# KiCad board sun3_60.kicad_pcb (continued)
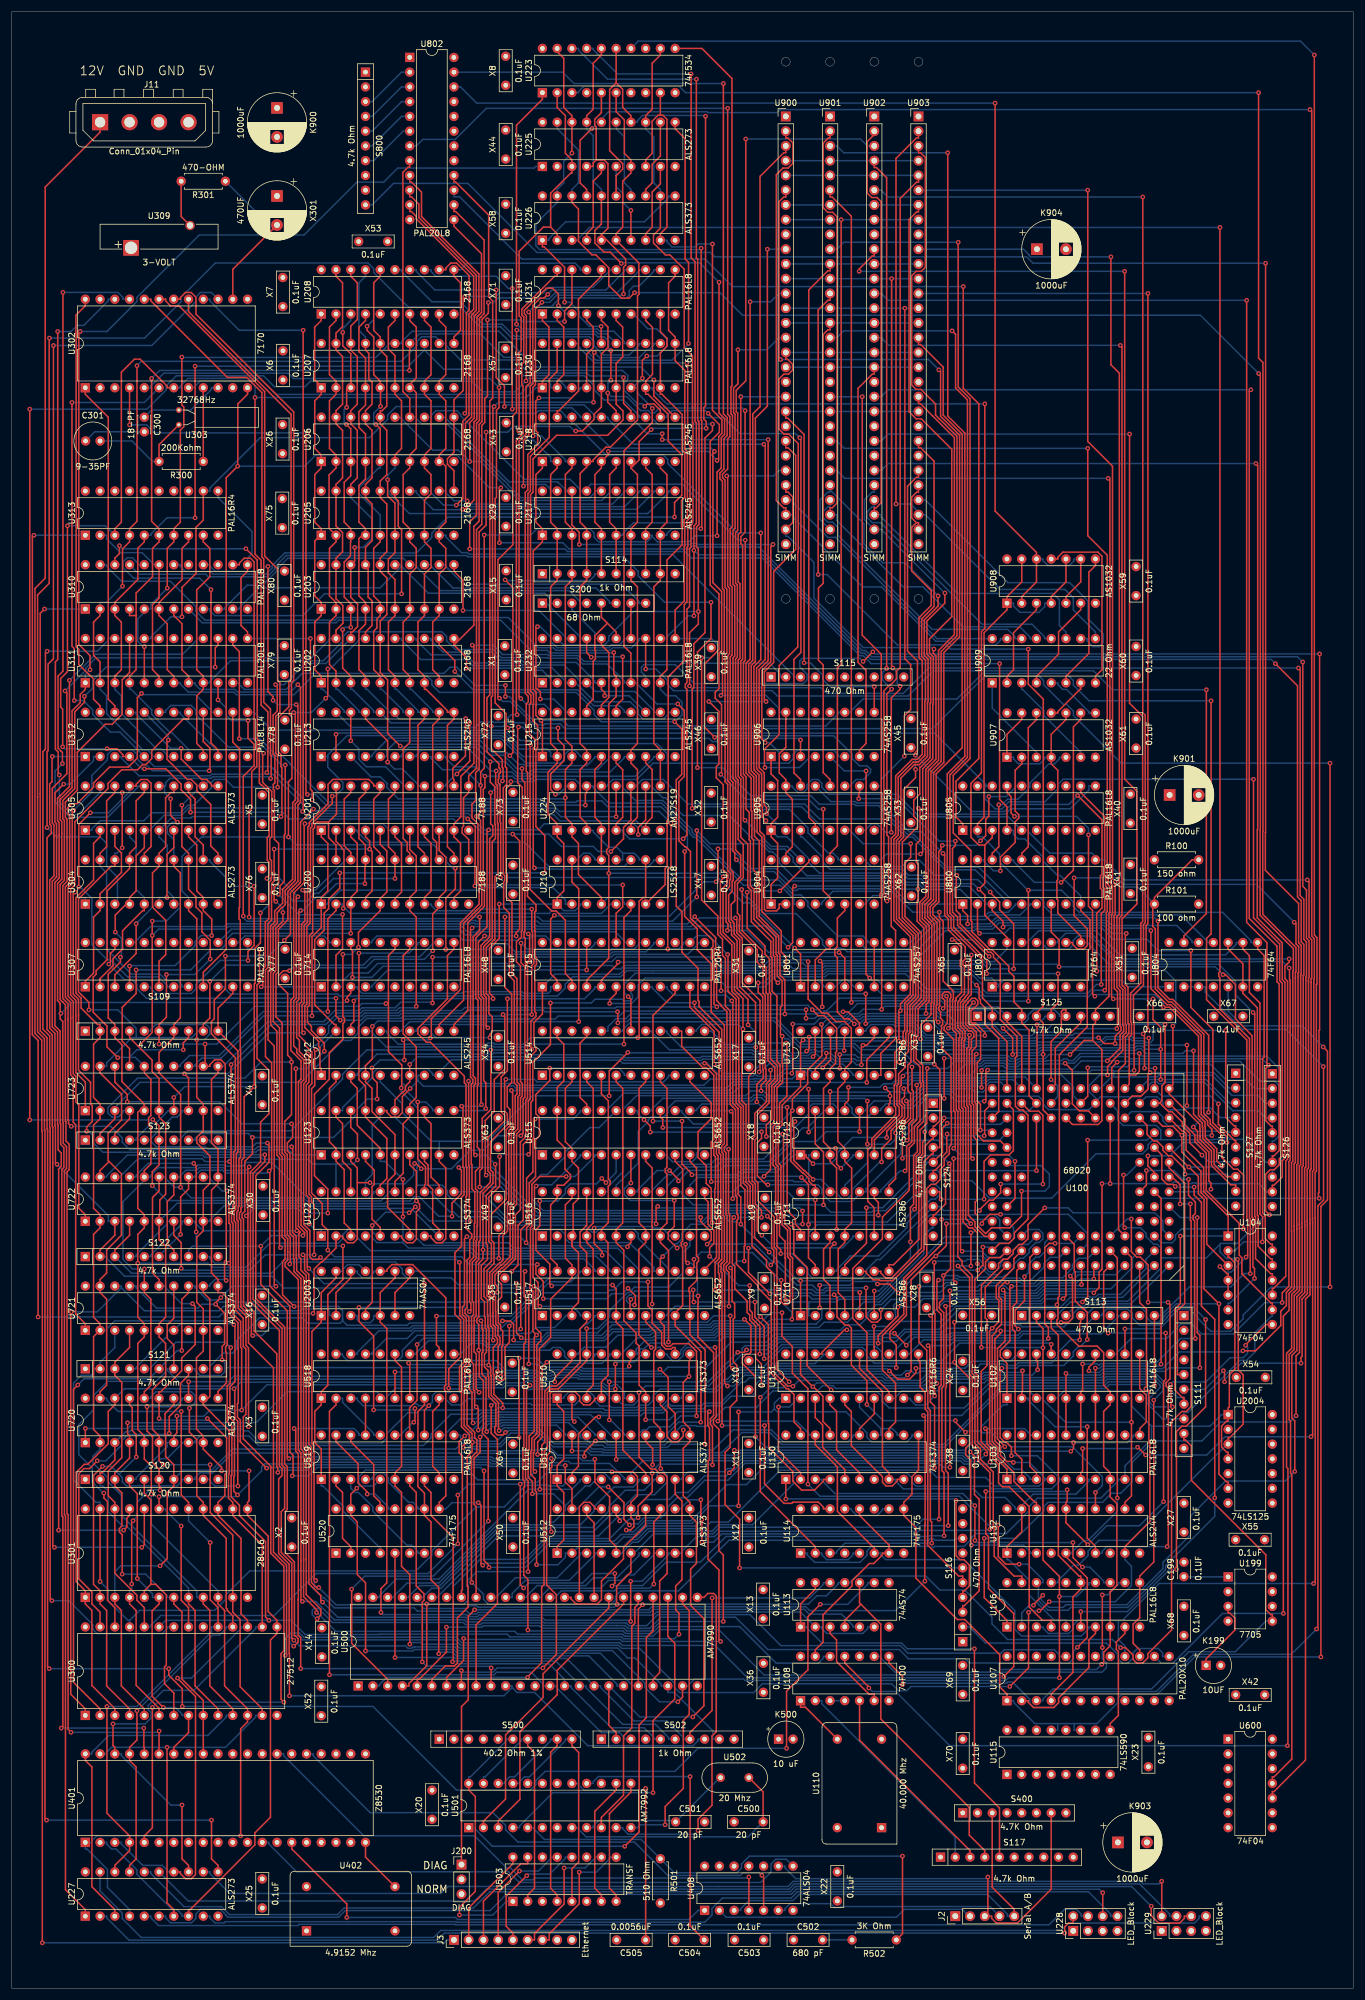
[diagram p0: board, top side]
## Routing (per net, layer and track width the routed paths; a pad name or vN(x,y) marks a point on that pad's centre or on a via; arc(x,y) is an arc through that point) (continued)
/sun3_60_cpu/D15: length 287.3
  Top w0.25: 186.24,163.22 187.81,161.65 187.81,149.38 187.17,148.74 182.74,148.74 U100.138 ; 186.24,163.22 184.75,163.22 v1(182.32,160.79) ; 186.24,163.22 186.24,165.78 186.71,166.25 S125.9 186.71,168.5 189.03,170.83 189.03,185.08 189.19,185.24 189.19,189.72 188.91,190 188.91,190.97 189.19,191.25 189.19,259.72 v1(188.91,260) ; v1(157.73,158.4) 157.64,158.3 157.64,148.93 156.49,147.78 156.49,143.86 155.83,143.21 155.83,134.44 v1(155.56,134.17) ; U711.2 v1(138.44,135.76) ; v1(123.95,151.01) 124.23,150.73 v1(124.23,135.97)
  Bottom w0.25: v1(138.44,135.76) 135.08,135.76 133.61,137.22 125.48,137.22 v1(124.23,135.97) ; U711.2 137.32,129.54 137.32,130.07 138.75,131.5 152.89,131.5 v1(155.56,134.17) ; v1(157.73,158.4) 161.24,158.4 162.53,159.68 166.76,159.68 167.27,160.19 171.39,160.19 171.95,159.63 172.93,159.63 173.38,160.08 178,160.08 178.71,160.79 v1(182.32,160.79) ; U901.25 142.16,261.36 143.52,260 v1(188.91,260) ; U515.13 123.82,151.14 v1(123.95,151.01)
/sun3_60_cpu/D16: length 337.6
  Top w0.25: v1(126.47,318.43) 126.47,276.78 124.82,275.14 124.82,271.46 125.08,271.21 125.08,251.03 124.71,250.67 124.71,241.98 125.02,241.66 125.02,229.22 124.71,228.91 124.71,208.5 125.16,208.05 125.16,197.83 126.03,196.95 126.03,191.26 125.03,190.26 125.03,185.1 125.42,184.71 125.42,184.01 125.37,183.96 125.37,183.1 125.36,183.09 125.36,181.94 128.42,178.88 128.42,176.71 129.44,175.7 129.44,171.34 129.83,170.94 129.83,158.4 129.94,158.29 129.94,156.34 129.11,155.51 v1(129.11,154.54) ; U712.8 151.15,152.27 151.32,152.45 v1(151.32,153.66) 151.32,154.21 v1(150.5,155.04) ; v1(185.37,158.51) 185.37,153.61 U100.150
  Bottom w0.25: v1(150.5,155.04) 151.81,155.04 152.63,155.86 154.21,155.86 155.12,156.76 167.28,156.76 167.9,157.39 171,157.39 171.02,157.37 180.75,157.37 182.9,155.23 182.9,153.67 U100.150 ; U902.3 147.43,317.24 146.24,318.43 v1(126.47,318.43) ; U516.20 102.73,137.16 102.73,138.02 105.38,140.67 105.38,151.44 107.65,153.7 126.46,153.7 127.3,154.54 v1(129.11,154.54) 129.46,154.54 130.31,153.69 151.3,153.69 v1(151.32,153.66) ; v1(185.37,158.51) 185.55,158.68 192.19,158.68 192.67,159.16 206.46,159.16 209.26,156.36 212.73,156.36 214.15,154.94 S126.2
/sun3_60_cpu/D17: length 343.2
  Top w0.25: v1(193.37,158.06) 193.37,166.48 193.26,166.59 193.26,170.99 194.98,172.72 194.98,183.19 195.29,183.5 195.29,219.21 194.85,219.64 v1(194.85,308.44) ; v1(168.13,158.11) 167.83,157.81 167.83,153.02 v1(167.56,152.75)
  Bottom w0.25: U100.162 187.5,154.94 189.5,156.95 189.88,156.95 ; S126.3 216.05,152.4 214.71,153.75 210.23,153.75 206.76,157.22 197.64,157.22 197.38,156.95 189.88,156.95 ; 189.88,157.95 193.26,157.95 v1(193.37,158.06) ; 189.88,157.95 189.88,156.95 ; 189.88,157.95 189.72,158.11 186.01,158.11 185.68,157.78 183.66,157.78 183.62,157.82 171.2,157.82 171.09,157.94 168.31,157.94 v1(168.13,158.11) ; U516.19 104.14,138.29 107.95,142.1 107.95,147.53 109.67,149.25 109.67,149.55 110.19,150.08 110.77,150.08 110.85,150 112.26,150 113.03,150.77 113.03,151.52 114.31,152.8 127.48,152.8 128.04,153.36 129.19,153.36 129.77,152.78 143.54,152.78 144.8,151.52 144.8,150.73 145.53,150 147.46,150 U712.9 149.73,151.14 149.73,151.42 150.62,152.31 152.95,152.31 153.66,151.6 155.2,151.6 157.59,153.99 161.48,153.99 162.73,152.75 v1(167.56,152.75) ; v1(194.85,308.44) 150.96,308.44 149.78,309.62 U902.6
/sun3_60_cpu/D18: length 329
  Top w0.25: v1(114.86,139.03) 114.86,139.29 v1(113.33,140.82) ; U712.10 v1(146.06,147.52) ; v1(191.74,295.64) 191.74,208.2 191.74,208.2 193.85,206.09 193.85,186.71 191.29,184.14 191.29,172.74 191.51,172.52 191.51,172.52 191.86,172.17 191.86,166.07 192.01,165.92 192.01,164.57 191.41,163.97 191.41,161.47 189.48,159.55 189.48,159.4 188.79,158.71 v1(188.79,157.26) ; v1(146,295.64) 146,296.04 148.24,298.28 148.6,298.28 U902.10
  Bottom w0.25: v1(114.86,139.03) 116.68,140.84 122.07,140.84 122.91,141.68 130.52,141.68 134.65,145.81 138.6,145.81 140.3,147.52 v1(146.06,147.52) ; S126.4 216.05,149.86 214.79,151.12 210.36,151.12 205.45,156.03 198.51,156.03 198.24,155.76 197.64,155.76 197.38,156.03 196.41,156.03 195.78,155.4 195.78,154.83 194.45,153.51 187.56,153.51 187.05,152.99 ; 187.05,152.99 187.05,152.74 U100.149 185.62,151.31 178.63,151.31 177.71,152.22 177.71,152.78 176.88,153.62 162.83,153.62 162,154.45 157.19,154.45 154.82,152.07 153.83,152.07 153.41,152.5 153.41,152.5 153.11,152.79 148.58,152.79 147.19,151.4 147.19,151.14 U712.10 ; 187.05,152.99 185.61,154.43 185.61,155.46 187.41,157.26 v1(188.79,157.26) ; v1(146,295.64) v1(191.74,295.64) ; U516.18 107.81,137.16 107.81,137.44 111.18,140.82 v1(113.33,140.82)
/sun3_60_cpu/D19: length 344.7
  Top w0.25: 216.25,158.95 216.25,158.61 216.05,158.42 216.05,149.39 217,148.45 217.18,148.45 S126.5 ; 216.25,158.95 v1(216.51,158.95) ; 216.25,158.95 216.25,180.06 212.75,183.56 v1(212.75,290.65) ; U712.11 143.53,152.27 144.15,152.89 v1(144.15,155.15) ; v1(181.49,159.29) 182.73,158.05 182.73,152.29 183.93,151.09 185.47,151.09 U100.136
  Bottom w0.25: v1(144.15,155.15) 149.57,155.15 150.19,155.76 151.67,155.76 152.22,156.31 154.03,156.31 154.94,157.22 165.11,157.22 166.68,158.78 167.13,158.78 167.64,159.29 171.01,159.29 171.58,158.72 173.3,158.72 173.75,159.17 181.37,159.17 v1(181.49,159.29) 183.02,159.29 184.16,160.43 192.3,160.43 192.66,160.07 215.39,160.07 v1(216.51,158.95) ; v1(212.75,290.65) 150.97,290.65 149.78,291.84 U902.13 ; U712.11 142.4,151.14 142.4,151.42 141.53,152.29 137.96,152.29 137.29,151.61 137.29,150.54 129.55,142.81 121.3,142.81 120.38,141.89 115.43,141.89 113.63,140.09 113,140.09 110.35,137.44 110.35,137.16 U516.17
/sun3_60_cpu/D20: length 307.2
  Top w0.25: U100.161 189.52,155.21 189.52,158.55 v1(190.43,159.47) ; v1(167.09,155.13) v1(167.09,158.05) ; v1(191,282.9) 191.27,282.62 191.27,184.77 190.84,184.33 190.84,172.55 191.41,171.99 191.41,165.89 191.56,165.74 191.56,164.76 190.96,164.16 190.96,161.9 v1(188.75,159.7) ; U712.12 v1(140.99,154.41)
  Bottom w0.25: U712.12 139.86,151.14 139.86,150.96 137.08,148.17 136.29,148.17 130.47,142.36 122.23,142.36 121.31,141.44 116.25,141.44 112.89,138.08 112.89,137.16 U516.16 ; S126.6 217.18,145.91 217.46,145.91 218.31,146.75 218.31,155.46 217.56,156.21 215.01,156.21 211.61,159.61 190.58,159.61 v1(190.43,159.47) 190.2,159.7 v1(188.75,159.7) 188.74,159.69 184.27,159.69 183.18,158.61 183.18,158.6 182.86,158.27 171.39,158.27 170.82,158.84 167.83,158.84 167.09,158.1 v1(167.09,158.05) ; v1(191,282.9) 151.1,282.9 149.78,284.22 148.6,284.22 ; v1(140.99,154.41) 141.09,154.31 150.8,154.31 150.88,154.4 153.17,154.4 153.39,154.18 155.59,154.18 156.64,155.23 156.77,155.36 166.86,155.36 v1(167.09,155.13)
/sun3_60_cpu/D21: length 347.1
  Top w0.25: U712.13 138.44,145.4 139.86,143.99 v1(139.86,134.91) ; v1(213.48,275.25) 213.2,274.97 213.2,184.23 217.99,179.45 217.99,173.32 218.36,172.95 218.36,144.26 217.46,143.37 217.18,143.37 S126.7
  Bottom w0.25: U100.148 190.52,151.12 190.52,149.52 191.45,148.59 197.17,148.59 197.96,147.8 197.96,146.12 ; v1(213.48,275.25) 150.97,275.25 149.78,274.06 U902.20 ; 197.96,146.12 196.65,146.12 195.75,145.23 195.75,144.64 194.81,143.69 186.8,143.69 179.17,136.07 168.42,136.07 165.42,139.07 161.21,139.07 159.42,140.85 157.52,140.85 150.58,133.91 148.44,133.91 148.16,133.63 141.14,133.63 v1(139.86,134.91) 117.39,134.91 115.43,136.88 115.43,137.16 U516.15 ; 197.96,146.12 207.07,146.12 207.14,146.2 208.88,146.2 209.06,146.38 209.67,146.38 209.85,146.2 212.1,146.2 216.05,142.24 S126.7
/sun3_60_cpu/D22: length 304.9
  Top w0.25: v1(150.75,146.52) 150.75,147.59 153.37,150.21 153.37,151.9 152.95,152.31 152.95,155.21 153.25,155.5 153.25,156.77 v1(153.55,157.08) ; U712.1 136.84,143.52 136.84,143.2 v1(138.06,141.98) ; 192.52,157.27 193.65,157.27 194.27,157.89 v1(194.27,160.97) ; 192.52,157.27 192.52,155.68 U100.160 ; 192.52,157.27 192.52,163.81 192.91,164.2 192.91,166.3 192.76,166.45 192.76,171.34 194.53,173.11 194.53,183.37 194.83,183.68 194.83,219.02 192.58,221.27 v1(192.58,267.63)
  Bottom w0.25: v1(150.75,146.52) 144.88,146.52 142.25,143.89 142.25,143.13 141.11,141.98 v1(138.06,141.98) ; v1(192.58,267.63) 150.97,267.63 149.78,266.44 148.6,266.44 ; v1(153.55,157.08) 154.14,157.67 162.91,157.67 164.47,159.23 166.95,159.23 167.45,159.74 171.2,159.74 171.77,159.17 173.12,159.17 173.57,159.63 178.19,159.63 178.3,159.74 180.91,159.74 181.19,160.02 181.79,160.02 182.07,159.74 182.83,159.74 184.06,160.97 v1(194.27,160.97) 194.72,160.52 216.21,160.52 218.82,157.9 218.82,142.19 217.46,140.83 217.18,140.83 S126.8 ; U712.1 134.78,143.52 131.81,140.55 126.53,140.55 126.53,140.55 126.06,140.55 125.14,139.63 118.19,139.63 116.84,138.29 U516.14
/sun3_60_cpu/D23: length 377.6
  Top w0.25: v1(149.28,111.08) 149.28,112.38 152.68,115.78 v1(152.68,117.31) ; v1(186.43,119.75) 187.34,120.66 187.34,123.32 187.83,123.81 v1(187.83,138.56) ; S126.9 217.18,138.29 217.46,138.29 218.89,139.72 218.89,142.5 219.34,142.95 219.34,173.24 218.89,173.69 218.89,180.02 214.59,184.32 214.59,199.51 214.66,199.58 214.66,262.25 v1(214.35,262.55) ; v1(120.24,126.05) 120.24,127.53 120.98,128.26 120.98,130.55 119.97,131.55 119.97,135.44 119.38,136.03 U516.13 ; U100.135 v1(189.25,138.56) ; v1(128.89,109.23) 128.89,113.99 127.59,115.29 127.59,116.35 127.14,116.81 v1(127.14,121.03)
  Bottom w0.25: v1(152.68,117.31) 155.6,117.31 157.05,118.75 162.03,118.75 162.36,119.08 170.71,119.08 171,118.8 176.94,118.8 178.15,120 186.17,120 v1(186.43,119.75) ; v1(128.89,109.23) 130.17,109.23 132.25,111.3 149.06,111.3 v1(149.28,111.08) ; v1(127.14,121.03) 125.26,121.03 v1(120.24,126.05) ; v1(214.35,262.55) 150.98,262.55 149.78,261.36 U902.25 ; U516.13 124.29,137.16 126.03,138.9 129.77,138.9 129.97,139.1 134.62,139.1 134.82,138.9 136.36,138.9 137.32,139.86 137.32,143.52 U712.2 ; S126.9 216.24,137.16 214.84,138.56 204.14,138.56 204.01,138.69 203.41,138.69 203.28,138.56 201.25,138.56 200.97,138.84 200.19,138.84 199.91,138.56 v1(189.25,138.56) v1(187.83,138.56)
/sun3_60_cpu/D24: length 417.4
  Top w0.25: U713.8 151.15,163.71 147.32,159.88 v1(147.32,155.99) ; v1(83.92,125.7) 83.92,129.58 84.95,130.61 84.95,134.88 85.64,135.58 85.64,140.88 85.64,140.88 85.64,146.64 85.63,146.64 85.63,147.67 86.15,148.18 86.15,148.18 86.3,148.34 86.3,154.42 v1(86.1,154.62) ; U903.3 156.22,316.06 156.59,316.06 157.4,315.25 157.4,296.34 156.71,295.64 155.83,295.64 155.04,294.86 155.04,276.09 155.81,275.33 156.63,275.33 159.16,272.8 159.16,270.88 159.76,270.28 159.8,270.28 162.85,267.23 162.85,232.9 160.13,230.18 160.13,211.26 159.64,210.77 159.63,210.77 158.36,209.5 158.36,196.66 158.37,196.66 158.37,187.64 157.34,186.61 157.34,184.33 158,183.66 158,183.64 158.51,183.14 158.51,169.73 158.38,169.61 158.38,167.69 156.66,165.96 156.66,163.55 v1(156.57,163.45) ; U212.2 55.88,156.09 54.75,154.96 54.75,145.77 55.88,144.65 U123.2 55.88,142.39 57.29,140.98 57.29,131.79 58.42,130.67 U122.3 ; U100.147 193.02,153.64 194.57,153.64 195.75,154.83 195.75,157.31 v1(196.13,157.69) 195.89,157.93 v1(195.89,163.62)
  Bottom w0.25: v1(86.1,154.62) 86.11,154.61 123.57,154.61 124.62,155.66 128.21,155.66 128.27,155.72 132.8,155.72 133.07,155.99 v1(147.32,155.99) ; U122.3 59.55,129.54 59.55,129.26 61.78,127.02 78.85,127.02 80.18,125.7 v1(83.92,125.7) 83.99,125.62 98.6,125.62 100.47,123.75 100.47,123.47 U517.20 ; v1(195.89,163.62) 193.22,163.62 192.98,163.86 188.45,163.86 187.55,162.95 176.85,162.95 176.61,162.71 165.9,162.71 165.69,162.49 164.34,162.49 164.06,162.77 159.88,162.77 159.43,163.22 156.8,163.22 v1(156.57,163.45) 155.19,164.84 U713.8 ; S127.2 209.74,155.02 207.06,157.69 v1(196.13,157.69)
/sun3_60_cpu/D25: length 440.4
  Top w0.25: v1(196.62,170.38) 196.62,166.81 197.94,165.49 v1(197.94,161.7) v1(197.94,156.49) ; v1(146.39,159.02) 146.39,162.13 v1(146.65,162.39) 147.29,162.39 148.6,163.71 U713.9 ; U123.5 63.5,144.65 59.55,148.6 59.55,154.96 58.42,156.09 U212.3 ; v1(67.42,139.27) v1(67.42,132.88) ; v1(189.78,170.38) 189.48,170.67 189.48,184.9 189.64,185.05 189.64,189.91 189.37,190.18 189.37,190.79 189.64,191.06 189.64,262.09 185.37,266.36 v1(185.37,309.62)
  Bottom w0.25: v1(197.94,161.7) 196.01,161.7 195.32,161.7 194.76,162.27 193.78,162.27 193.47,161.96 184.47,161.96 184.44,161.98 177.16,161.98 176.76,161.59 159.77,161.59 159.5,161.86 159.5,161.87 159.16,162.21 146.84,162.21 v1(146.65,162.39) ; 67.42,128.41 62.94,128.41 62.09,129.26 62.09,129.54 U122.4 ; 67.42,128.41 68.35,127.47 79.17,127.47 80.22,126.43 85.42,126.43 85.77,126.08 100.68,126.08 103.01,123.75 103.01,123.47 U517.19 ; 67.42,128.41 v1(67.42,132.88) ; v1(196.62,170.38) v1(189.78,170.38) ; U123.5 63.5,142.39 64.29,142.39 v1(67.42,139.27) ; U903.6 v1(185.37,309.62) ; U100.159 195.87,156.48 197.94,156.48 ; 197.94,156.48 v1(197.94,156.49) ; 197.94,156.48 205.73,156.48 209.74,152.48 S127.3 ; v1(146.39,159.02) 145.54,159.02 144.96,159.61 142.07,159.61 141.95,159.72 141.78,159.72 141.35,160.16 139.36,160.16 138.36,161.16 137.76,161.16 137.21,160.61 129.75,160.61 129.5,160.36 123.8,160.36 123.69,160.47 118.88,160.47 118.65,160.25 106.31,160.25 106.31,160.24 105.7,160.24 105.18,160.76 89.2,160.76 88.89,161.06 83.06,161.06 82.85,160.86 62.92,160.86 59.55,157.49 59.55,157.22 U212.3
/sun3_60_cpu/D26: length 431
  Top w0.25: U122.7 68.58,130.67 64.77,134.48 64.77,138.92 66.04,140.19 U123.6 66.04,147.01 62.09,150.96 62.09,154.96 60.96,156.09 U212.4 60.96,158.88 62.15,160.07 v1(62.15,165.64) ; v1(202.46,152.01) v1(202.46,162.42) ; v1(187.24,163.68) 188.24,162.68 v1(190.09,162.68) 190.09,163.93 191.11,164.95 191.11,165.55 190.96,165.7 190.96,170.58 190.95,170.59 190.95,171.8 190.39,172.37 190.39,184.52 190.82,184.95 190.82,278.1 189.36,279.56 v1(189.36,298.13) ; U713.10 146.06,166.19 144.1,168.15 v1(143.23,168.15) ; v1(136.85,168.51) v1(136.85,167.03)
  Bottom w0.25: v1(136.85,168.51) 122.75,168.51 122.51,168.27 105.53,168.27 104.68,167.42 94.15,167.42 93.64,166.91 67.8,166.91 67.45,166.55 63.06,166.55 v1(62.15,165.64) ; v1(136.85,167.03) 138.37,167.03 138.82,167.48 139.79,167.48 140.14,167.82 140.56,167.82 140.89,168.15 v1(143.23,168.15) ; S127.4 208.14,149.94 206.5,151.58 202.46,151.58 ; U903.10 174.29,299.46 175.3,298.45 175.3,298.32 175.49,298.13 v1(189.36,298.13) ; U517.18 105.55,123.47 105.55,123.75 102.32,126.98 86.37,126.98 85.92,127.43 81.97,127.43 81.47,127.93 71.04,127.93 69.71,129.26 69.71,129.54 U122.7 ; 202.46,151.58 202.14,151.26 199.01,151.26 198.32,151.95 198.32,152.56 197.36,153.52 195.44,153.52 U100.146 ; 202.46,151.58 v1(202.46,152.01) ; v1(202.46,162.42) 196.4,162.42 196.38,162.41 195.25,162.41 194.94,162.72 193.59,162.72 193.28,162.41 190.36,162.41 v1(190.09,162.68) ; v1(187.24,163.68) 187.22,163.66 176.92,163.66 176.42,163.16 165.72,163.16 165.5,162.94 164.53,162.94 164.25,163.22 160.06,163.22 159.61,163.67 157.38,163.67 155.32,165.73 152.14,165.73 151.91,165.96 148.04,165.96 147.19,165.11 147.19,164.84 U713.10
/sun3_60_cpu/D27: length 447.3
  Top w0.25: v1(136.95,161.38) 137.39,161.82 v1(137.39,163.8) ; v1(195.74,291.84) 195.74,183.31 195.43,183.01 195.43,178.14 195.74,177.83 v1(195.74,165.01) ; S127.5 210.86,148.52 210.58,148.52 209.14,149.96 v1(209.14,164.95) ; U713.11 143.53,163.71 143.42,163.6 v1(143.42,161.47) ; v1(102.95,153.69) 102.95,157.95 v1(106.15,161.15) ; U123.9 73.66,142.39 74.79,141.27 74.79,129.06 74.11,128.39 73.12,128.39 72.25,129.26 72.25,129.54 U122.8
  Bottom w0.25: U122.8 72.25,129.54 72.25,129.26 73.13,128.38 85.61,128.38 86.56,127.43 104.41,127.43 108.09,123.75 108.09,123.47 U517.17 ; v1(195.74,165.01) 196.57,165.01 196.63,164.95 ; v1(102.95,153.69) 89.7,153.69 81.87,145.85 73.66,145.85 ; 196.63,164.95 196.63,163.29 196.2,162.86 195.44,162.86 195.13,163.17 193.03,163.17 192.79,163.41 190.5,163.41 190.5,163.41 188.64,163.41 187.67,162.43 176.97,162.43 176.79,162.26 166.09,162.26 165.88,162.04 164.15,162.04 163.88,162.32 159.69,162.32 159.24,162.77 156.91,162.77 156.87,162.73 154.62,162.73 153.51,163.84 151.75,163.84 151.61,163.71 137.48,163.71 v1(137.39,163.8) ; 196.63,164.95 v1(209.14,164.95) ; U123.9 73.66,145.85 ; U903.13 v1(195.74,291.84) ; v1(106.15,161.15) 106.22,161.07 127.51,161.07 127.77,160.81 129.31,160.81 129.56,161.06 136.63,161.06 v1(136.95,161.38) 137.03,161.3 137.27,161.3 137.57,161.61 138.55,161.61 138.85,161.3 139.59,161.3 140.05,161.76 143.12,161.76 v1(143.42,161.47) ; 73.66,145.85 72.27,145.85 67.31,150.81 67.31,152.28 63.5,156.09 U212.5 ; S127.5 209.74,147.4 209.56,147.57 202.88,147.57 201.93,148.52 199.2,148.52 198.32,149.41 198.32,150.02 197.37,150.96 192.89,150.96 U100.134
/sun3_60_cpu/D28: length 355.8
  Top w0.25: 156.22,284.22 156.22,283.04 156.59,283.04 160.48,279.15 160.48,270.88 163.75,267.61 163.75,213.61 159.27,209.13 159.27,187.26 158.24,186.23 158.24,184.69 158.92,184.02 158.92,184 159.41,183.51 159.41,169.36 159.29,169.23 159.29,166.75 v1(159.65,166.39) ; v1(112.16,126.01) 111.76,125.62 U517.16 ; U100.158 196.98,155.06 v1(196.98,158.44) ; v1(139.73,158.51) 141.07,159.85 141.07,163.62 140.99,163.71 U713.12 ; v1(129.17,132.75) 129.17,133.97 128.12,135.02 128.12,138.51 127.57,139.06 127.57,146.24 128.01,146.69 128.01,147 128.01,147.01 128.01,150.64 130.03,152.66 130.03,155.79 130.74,156.5 v1(130.74,158.11) ; v1(69.96,152.6) 69.96,142.79 71.3,141.46 71.3,138.46 71.12,138.29 U122.13 ; S127.6 210.86,145.98 210.67,145.98 207.88,148.77 v1(207.88,152.29) ; v1(194.94,164.35) 195.15,164.13 v1(195.15,158.44)
  Bottom w0.25: v1(139.73,158.51) 139.44,158.8 131.43,158.8 v1(130.74,158.11) ; U517.16 110.63,123.47 110.63,124.16 106.39,128.41 96.06,128.41 95.39,129.07 95.39,129.77 94.5,130.67 85.83,130.67 83.64,132.86 76.98,132.86 76.17,133.67 75.53,133.67 72.25,136.96 72.25,137.16 U122.13 ; U100.158 198.18,153.62 206.55,153.62 v1(207.88,152.29) ; v1(196.98,158.44) v1(195.15,158.44) ; U212.6 67.17,157.22 67.17,156.02 67.85,155.34 67.85,154.72 v1(69.96,152.6) 71.35,152.6 72.53,151.42 72.53,151.14 U123.12 ; v1(112.16,126.01) 114.34,128.2 114.61,128.2 115.49,129.08 115.49,130.01 117.05,131.57 119.2,131.57 120.2,132.58 123.15,132.58 123.7,132.03 124.71,132.03 125.44,132.75 v1(129.17,132.75) ; U713.12 142.11,164.84 142.11,165.1 143.05,166.04 144.11,166.04 144.98,166.91 146.27,166.91 146.64,167.28 147.33,167.28 147.44,167.39 152.4,167.39 152.7,167.09 158.95,167.09 v1(159.65,166.39) 159.65,166 161.07,164.58 162.25,164.58 162.52,164.85 168.9,164.85 169.35,164.4 169.35,164.4 170.14,163.61 176.23,163.61 176.73,164.11 182.75,164.11 183.07,164.43 194.85,164.43 v1(194.94,164.35)
/sun3_60_cpu/D29: length 362.6
  Top w0.25: U903.20 156.22,272.88 156.53,272.88 158.71,270.7 158.71,270.69 162.4,267 162.4,233.09 159.68,230.37 159.68,229.63 159.68,229.62 159.68,211.45 159.45,211.22 159.45,211.22 157.91,209.69 157.91,196.47 157.92,196.47 157.92,187.82 156.89,186.79 156.89,184.14 157.55,183.48 157.55,183.46 158.06,182.95 158.06,169.92 157.53,169.39 157.53,167.86 v1(157.52,167.85) ; v1(205.06,143.47) 202.95,145.59 202.95,147.2 201.67,148.48 201.67,149.14 199.86,150.95 199.31,150.95 197.8,152.47 ; v1(198.7,165.97) 198.7,155.95 198.15,155.4 198.15,152.82 197.8,152.47 ; v1(68.58,159.1) U212.7 68.58,156.09 67.85,155.35 67.85,154.74 67.42,154.31 67.34,154.31 66.04,153.01 U123.15 ; U100.145 197.73,152.4 197.8,152.47 ; U713.13 138.44,160.82 v1(138.06,160.43)
  Bottom w0.25: U123.15 66.04,150.01 69.96,146.09 69.96,142.51 70.14,142.33 70.14,141.73 69.81,141.4 69.81,138.44 69.96,138.29 ; U122.14 69.71,137.16 69.71,138.03 69.96,138.29 ; v1(68.58,159.1) 69.88,160.4 88.92,160.4 89.04,160.28 105.03,160.28 105.51,159.79 118.84,159.79 119.06,160.02 120.57,160.02 120.69,159.9 129.68,159.9 129.93,160.16 137.78,160.16 v1(138.06,160.43) ; v1(205.06,143.47) 206.21,142.32 S127.7 ; 69.96,138.29 74.18,138.29 75.07,137.39 75.07,136.66 77.98,133.75 83.48,133.75 85.83,131.41 98.81,131.41 100.04,130.18 100.64,130.18 101.19,130.73 107.16,130.73 107.95,129.94 107.95,129.16 113.17,123.93 113.17,123.47 U517.15 ; v1(198.7,165.97) 179.29,165.97 178.4,165.09 171.66,165.09 171.1,164.53 170.53,164.53 169.3,165.75 162.53,165.75 162.25,166.03 161.08,166.03 159.99,167.12 159.79,167.12 159.05,167.85 v1(157.52,167.85) 157.21,167.54 152.89,167.54 152.59,167.84 147.25,167.84 147.14,167.73 146.45,167.73 146.09,167.37 144.79,167.37 143.92,166.49 142.86,166.49 142.68,166.31 140.86,166.31 139.5,164.95 139.5,164.84 U713.13
/sun3_60_cpu/D30: length 404.3
  Top w0.25: v1(170.79,165.29) 172.44,163.64 v1(172.44,160.8) ; v1(136.33,163.29) 135.91,162.86 U713.1 135.91,155.24 132.74,152.07 132.74,148.69 132.09,148.04 132.09,142.1 132.51,141.68 132.51,133.71 132.73,133.48 132.73,131.48 133.67,130.54 133.67,125.96 134.08,125.56 134.08,118.18 133.65,117.76 133.05,117.76 132.57,118.24 v1(132.57,121.94) ; U123.16 64.63,151.14 64.63,150.86 65.47,150.01 66.54,150.01 67.31,150.79 67.31,153.56 68.66,154.91 v1(68.66,154.95) ; v1(117.54,125.52) 117.54,124.17 U517.14 ; 156.22,266.44 156.22,265.26 156.59,265.26 158.9,262.95 158.9,240.1 158.87,240.07 158.87,239.47 158.9,239.44 158.9,237.94 156.77,235.81 156.77,229.34 157.42,228.69 157.42,221.72 157.32,221.61 157.32,212.28 157.24,212.21 157.24,212.21 156.19,211.16 155.94,211.16 155.94,211.16 155.32,211.16 152.74,208.58 152.74,198.58 152.35,198.2 152.35,198.2 151.97,197.82 151.97,187.85 151.98,187.84 151.98,183.91 154.82,181.07 154.82,171.22 153.12,169.52 v1(153.12,168.33) 152.86,168.07 v1(152.86,163.1) ; v1(202.15,140.2) 202.15,141.04 199.86,143.33 199.3,143.33 198.32,144.31 198.32,144.88 197.32,145.88 196.76,145.88 195.59,147.04 195.59,148.59 U100.133 ; v1(203.61,161.43) 203.61,150.5 205.12,148.98 205.12,148.31 205.18,148.25 205.18,146.35 207.14,144.39 207.14,141.87 209.24,139.78 209.6,139.78 209.6,139.78 S127.8
  Bottom w0.25: v1(172.44,160.8) 172.72,161.08 176.9,161.08 177.35,161.53 184.15,161.53 184.18,161.5 193.66,161.5 193.97,161.81 194.57,161.81 195.41,160.97 201.74,160.97 202.2,161.43 v1(203.61,161.43) ; S127.8 209.74,139.78 209.32,140.2 v1(202.15,140.2) ; 69.99,156.29 v1(68.66,154.95) ; 69.99,156.29 70.94,155.34 85.98,155.34 86.06,155.42 86.45,155.42 86.81,155.06 123.22,155.06 124.27,156.11 128.02,156.11 128.08,156.17 128.09,156.17 132.61,156.17 133.06,156.62 134.48,156.62 135.12,157.27 135.12,157.87 135.12,157.88 135.12,157.9 136.66,157.9 136.84,157.71 136.96,157.71 137.03,157.64 137.03,157.22 U713.1 ; 69.99,156.29 69.99,157.22 U212.8 ; v1(152.86,163.1) 152.82,163.13 139.5,163.13 139.44,163.07 136.55,163.07 v1(136.33,163.29) ; v1(170.79,165.29) 169.88,166.21 162.71,166.21 161.35,167.57 159.98,167.57 159.29,168.26 159.28,168.26 158.91,168.62 153.41,168.62 v1(153.12,168.33) ; v1(132.57,121.94) 132.37,121.94 127.63,126.69 126.68,126.69 126.59,126.77 118.8,126.77 v1(117.54,125.52) ; U123.16 63.5,150.01 62.13,148.64 62.13,140.15 60.96,138.98 U122.17
/sun3_60_cpu/D31: length 391.2
  Top w0.25: v1(183.64,205.39) 187.83,201.19 187.83,191.81 187.56,191.54 187.56,189.44 187.83,189.16 187.83,186.03 186.93,185.12 v1(186.93,175.14) ; U713.2 138.44,158.35 140.35,160.25 v1(140.35,161.04) ; v1(155.71,209.89) 155.71,208.45 153.64,206.38 153.64,198.21 152.88,197.45 152.88,188.22 152.89,188.21 152.89,184.28 153.56,183.61 153.56,183.61 155.73,181.45 155.73,170.85 154.3,169.43 154.3,167.85 154.29,167.84 154.29,164.76 154.04,164.5 154.04,162.41 152.88,161.25 v1(152.88,159.51) ; U903.25 156.22,260.18 155.86,260.18 154.33,258.65 154.33,230.25 156.05,228.54 156.05,213.17 155.7,212.83 v1(155.7,212.34) ; v1(200.04,165.68) 200.04,155.57 U100.157 199.41,154.03 204.67,148.76 204.67,148.12 204.73,148.06 204.73,146.59 204.73,146.59 204.73,146.16 206.69,144.2 206.69,141.69 210.01,138.36 210.86,138.36 S127.9 ; U122.18 58.42,140.98 57.01,142.4 57.01,148.89 55.88,150.01 U123.19 ; U517.13 119.38,123.81 121.43,125.86 121.43,131.55 121.43,131.55 121.43,132.33 121.12,132.63 121.12,137.59 121.24,137.71 121.24,143.17 120.96,143.45 120.96,145.55 121.42,146.01 121.42,151.26 121.42,151.26 121.42,157.51 119.63,159.29 v1(119.36,159.29)
  Bottom w0.25: v1(152.88,159.51) 152.64,159.74 145.55,159.74 145.24,160.06 142.36,160.06 142.07,160.34 141.8,160.34 141.11,161.04 v1(140.35,161.04) ; v1(155.71,209.89) 155.7,209.9 v1(155.7,212.34) 165.41,202.63 171.01,202.63 172.23,203.86 173.15,203.86 173.15,203.85 182.1,203.85 v1(183.64,205.39) ; U713.2 137.31,158.35 133.28,158.35 132.01,157.07 128.47,157.07 128.23,157.3 127.94,157.3 127.69,157.05 122.07,157.05 119.84,159.29 v1(119.36,159.29) 105.28,159.29 104.74,159.83 88.21,159.83 88.15,159.89 75.77,159.89 73.1,157.22 ; 73.1,157.22 72.53,157.22 72.53,157.5 71.66,158.37 63.02,158.37 62.23,157.59 62.23,156.89 57.01,151.67 57.01,151.14 U123.19 ; 73.1,157.22 U212.9 ; v1(186.93,175.14) 187.02,175.23 198.77,175.23 200.54,173.46 200.54,166.18 v1(200.04,165.68)
/sun3_60_cpu/DMA-: length 91.4
  Top w0.25: U132.1 171.47,76.07 174,78.61 U132.19 ; U131.15 146.06,106.75 150.02,102.8 150.02,89.89 151.15,88.77 U130.8
  Bottom w0.25: 173.44,82.56 172.88,82.56 172.88,82.82 171.18,84.52 167.2,84.52 165.71,86.01 153.62,86.01 152.27,87.36 152.27,87.64 U130.8 ; 173.44,82.56 U132.19 ; 173.44,82.56 175.98,85.1 183.32,85.1 185.58,87.36 185.58,87.64 U103.7 ; U132.1 171.47,73.81 171.75,73.81 175.28,70.29 175.28,67.74 179.65,63.37 181.62,63.37 U106.5